# KiCad board Kicad.kicad_pcb
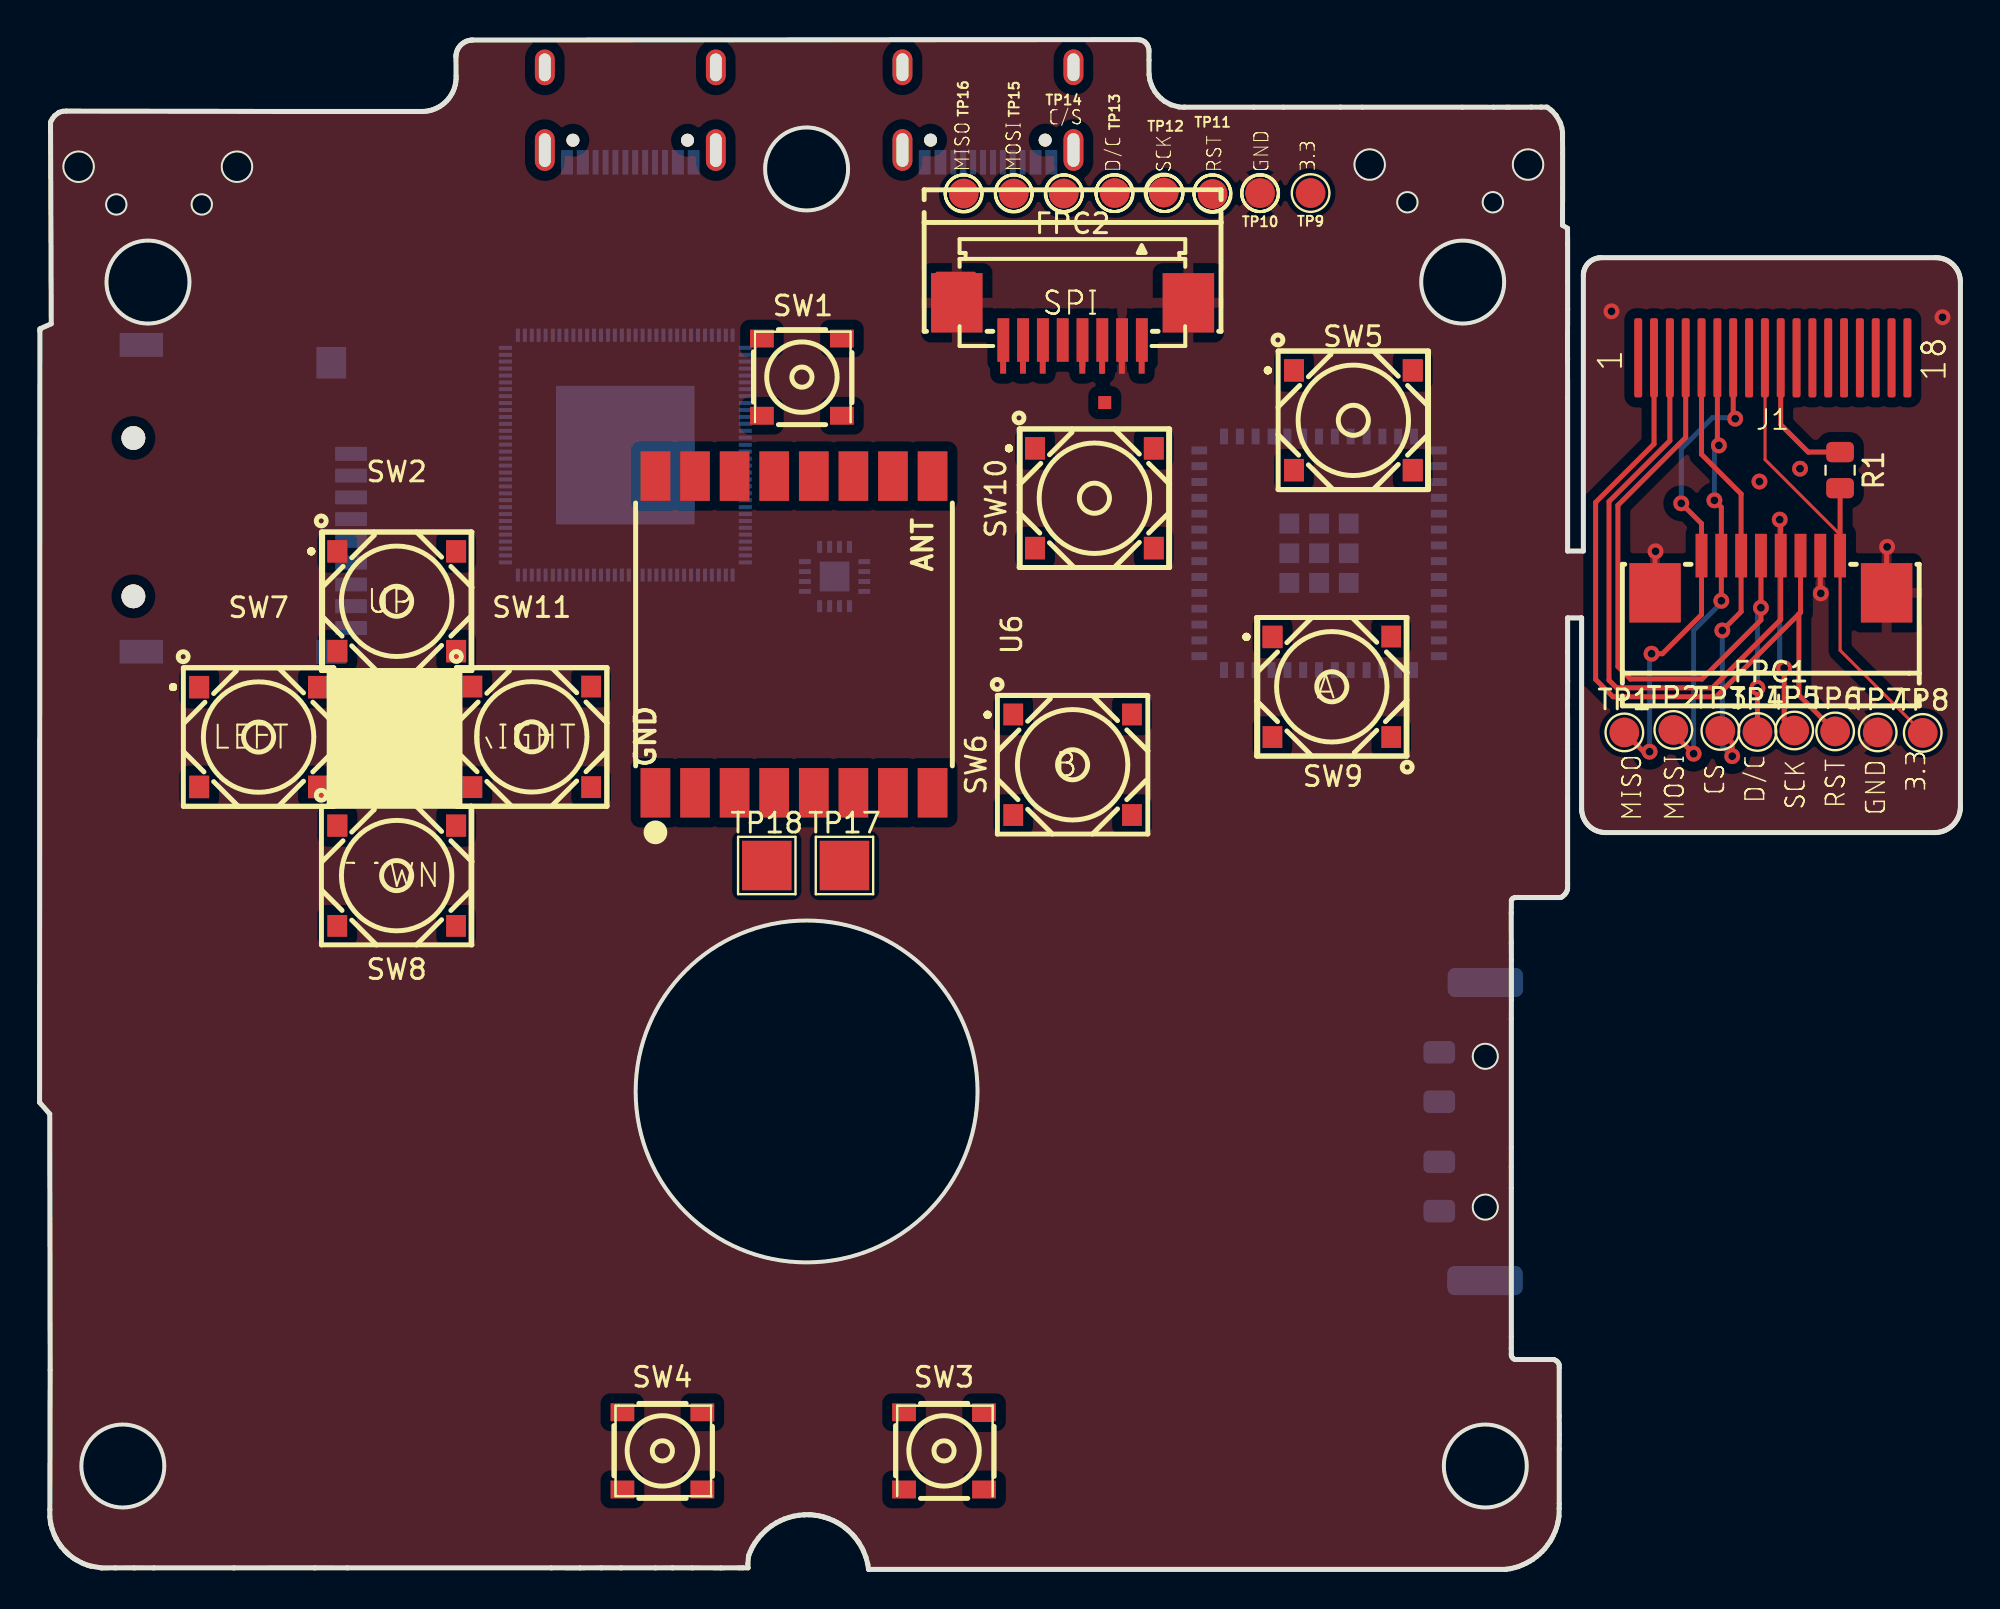
[diagram p0: board, top side]
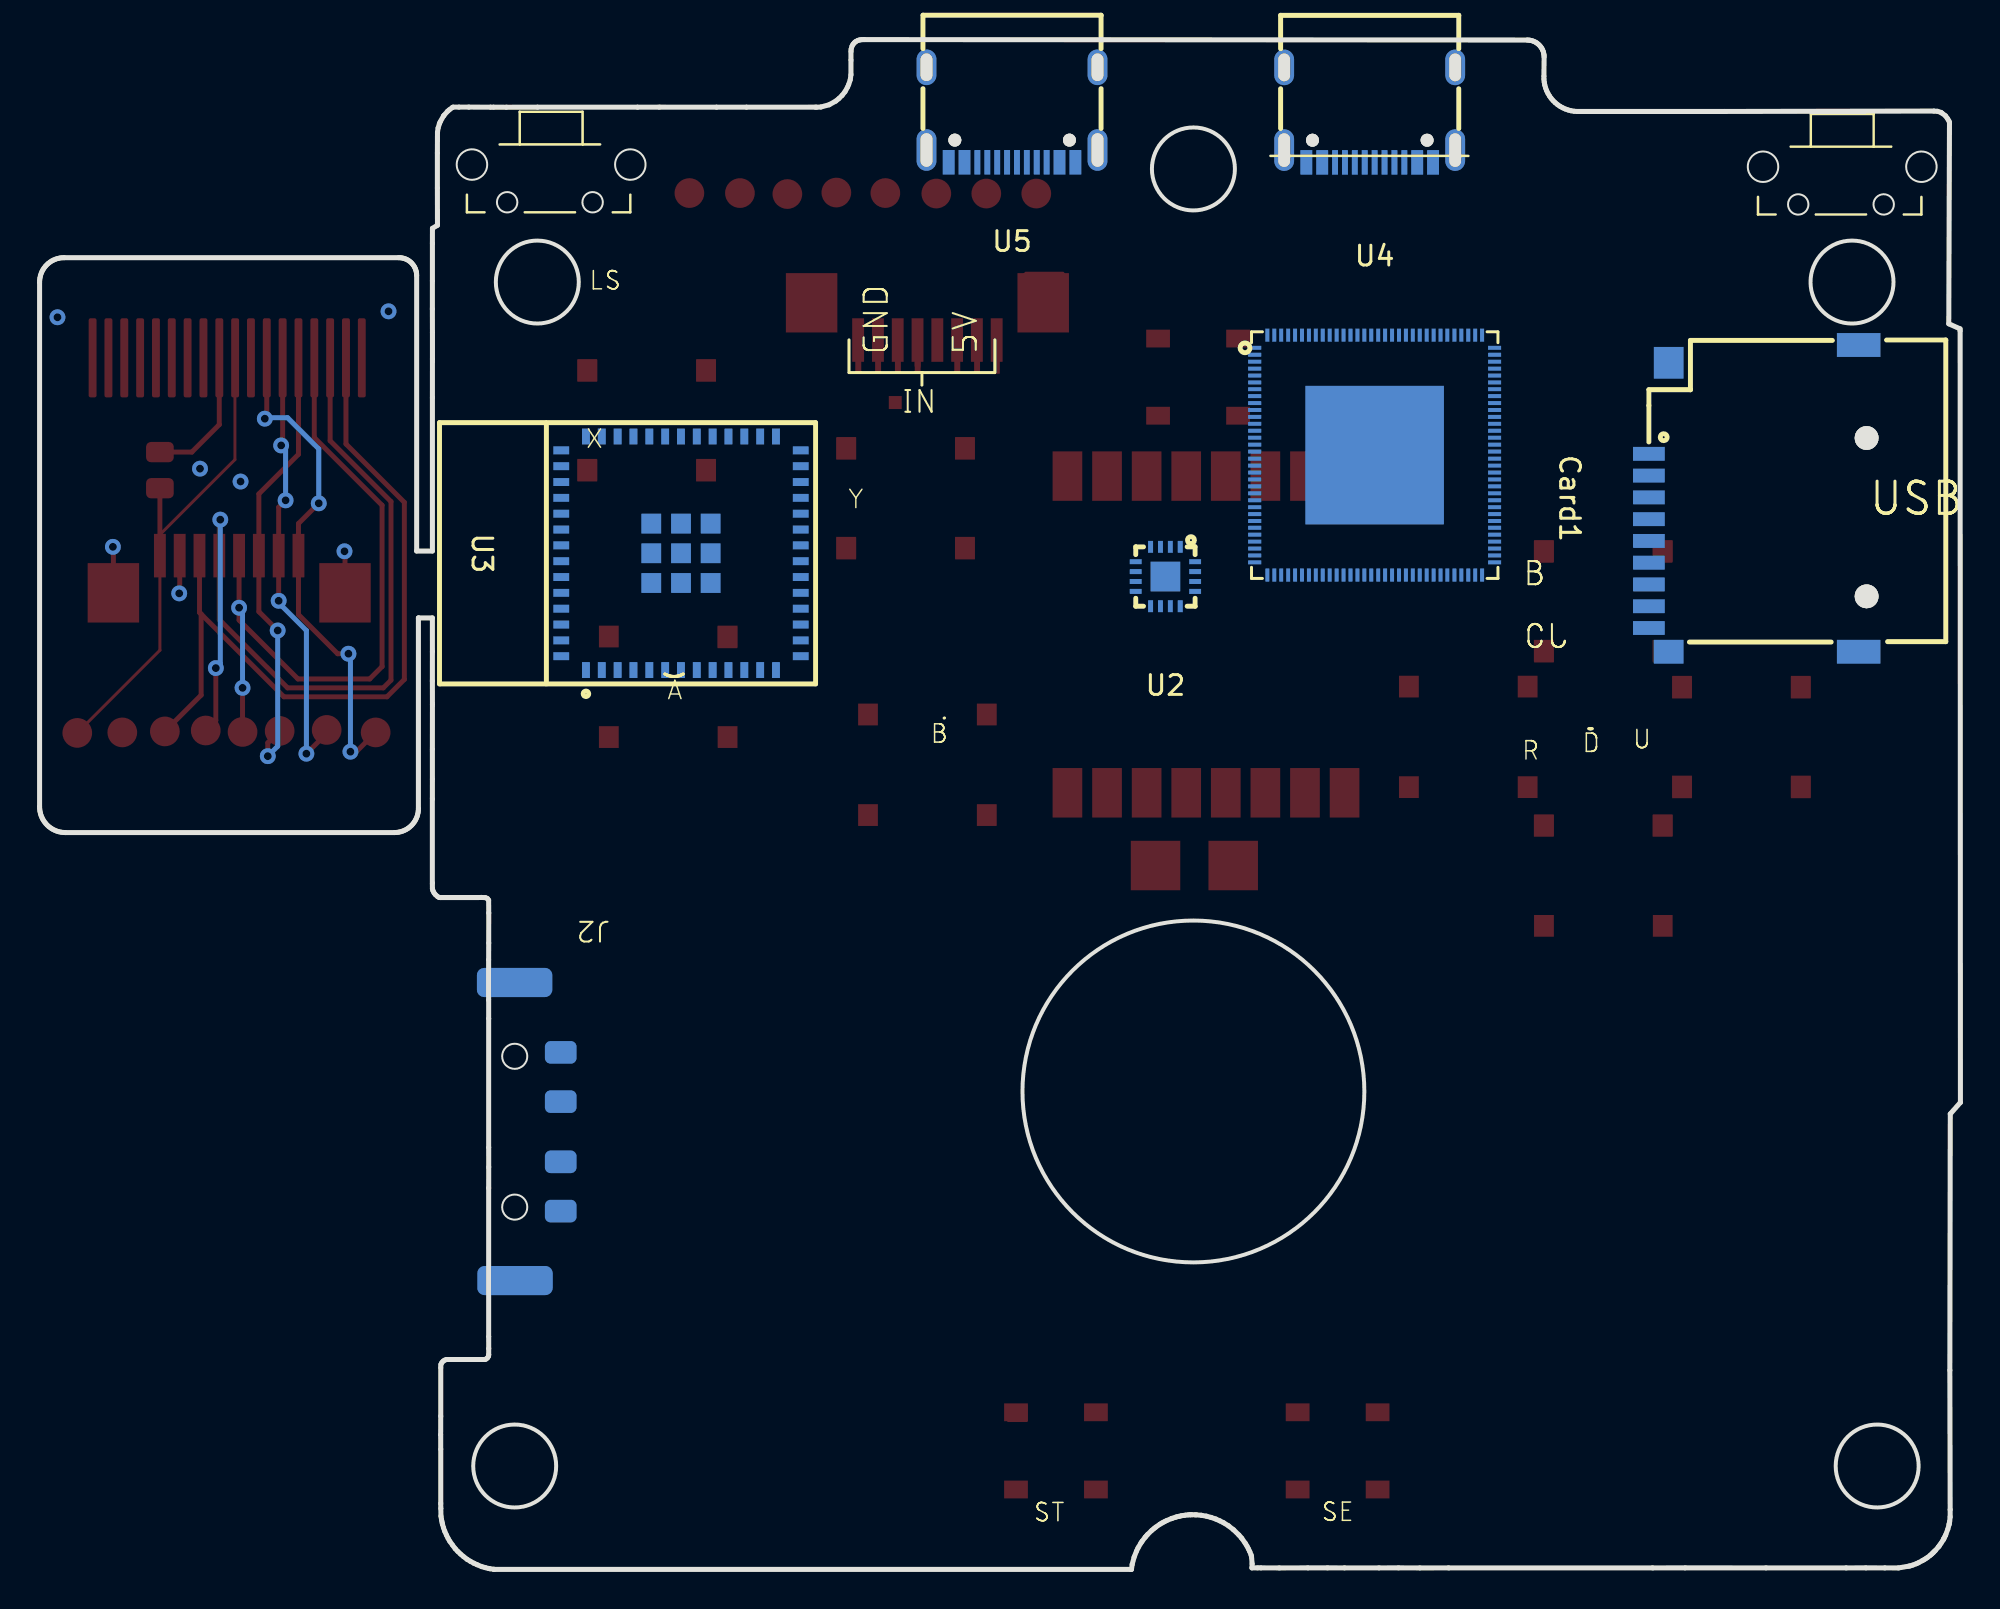
[diagram p1: board, bottom side, seen from below]

Outline 97.04 x 77.29 mm; copper layers: Top, Bottom. Coordinates in mm from the lower left corner of the outline.
Outline path: circle c1.97,70.87 r0.77 ; circle c3.88,68.96 r0.52 ; circle c4.21,5.22 r2.1 ; circle c5.48,65.04 r2.1 ; circle c8.19,68.96 r0.52 ; circle c9.97,70.87 r0.77 ; circle c38.75,70.76 r2.1 ; circle c38.75,24.15 r8.64 ; circle c67.2,70.98 r0.77 ; circle c69.1,69.07 r0.52 ; circle c71.9,65.04 r2.1 ; circle c73.04,5.22 r2.1 ; circle c73.42,69.07 r0.52 ; circle c75.2,70.98 r0.77 ; 0,23.59 0.51,23.01 0.53,10.07 0.52,3.02 0.52,2.65 0.54,2.41 0.57,2.31 0.57,2.26 0.63,2.04 0.74,1.75 0.76,1.7 0.82,1.59 0.84,1.55 0.85,1.53 0.87,1.49 0.99,1.31 1.07,1.2 1.08,1.17 1.11,1.14 1.28,0.94 1.3,0.93 1.35,0.87 1.38,0.84 1.4,0.82 1.46,0.77 1.53,0.71 1.67,0.6 1.76,0.54 1.84,0.49 1.93,0.44 2.12,0.33 2.23,0.29 2.41,0.22 2.54,0.18 2.62,0.16 3.13,0.07 3.82,0.08 4.78,0.08 5.77,0.08 9.82,0.08 13.9,0.08 15.55,0.08 25.86,0.08 27.31,0.07 28.39,0.08 29.37,0.08 31.12,0.08 31.97,0.08 32.97,0.08 34.41,0.07 35.34,0.08 35.8,0.08 35.78,0.28 35.81,0.64 35.83,0.73 35.91,0.9 35.97,1.04 36.05,1.19 36.13,1.33 36.31,1.58 36.45,1.74 36.73,2.01 36.98,2.2 37.23,2.36 37.42,2.45 37.62,2.55 37.86,2.63 38.1,2.69 38.36,2.74 38.6,2.76 38.66,2.76 38.82,2.76 38.92,2.76 39.02,2.76 39.16,2.74 39.27,2.72 39.38,2.71 39.48,2.68 39.57,2.66 39.65,2.64 39.83,2.58 39.86,2.57 40.1,2.47 40.22,2.41 40.33,2.35 40.44,2.29 40.65,2.14 40.75,2.06 40.85,1.97 41.06,1.77 41.14,1.68 41.19,1.62 41.35,1.42 41.4,1.33 41.55,1.09 41.63,0.92 41.75,0.62 41.84,0.25 41.88,0 74.09,0 74.11,0.01 74.29,0.03 74.36,0.05 74.53,0.09 74.71,0.14 74.94,0.24 75.1,0.31 75.28,0.41 75.45,0.51 75.62,0.65 75.78,0.78 75.91,0.91 76.04,1.05 76.18,1.23 76.31,1.41 76.4,1.56 76.49,1.74 76.58,1.93 76.64,2.11 76.69,2.28 76.7,2.32 76.72,2.43 76.74,2.53 76.77,2.69 76.77,3.08 76.78,3.33 76.78,6.07 76.78,6.8 76.78,7.74 76.78,10.2 76.77,10.35 76.72,10.45 76.65,10.52 76.57,10.57 76.49,10.6 74.58,10.6 74.54,10.61 74.48,10.64 74.41,10.69 74.36,10.77 74.35,10.85 74.35,11.16 74.35,11.75 74.35,19.27 74.35,20.32 74.35,21.32 74.35,27.82 74.36,28.78 74.36,30.8 74.35,31.66 74.35,33.17 74.36,33.81 74.42,33.89 74.51,33.94 74.72,33.95 74.89,33.95 76.79,33.95 76.86,33.95 76.95,34 77.05,34.09 77.11,34.18 77.17,34.29 77.2,34.39 77.2,34.66 77.2,38.94 77.2,39.93 77.2,41.44 77.2,43.7 77.2,44.88 77.2,46.37 77.2,48.07 77.9,48.07 77.9,48.07 77.9,38.44 77.91,38.34 77.92,38.23 77.95,38.13 77.98,38.03 78.02,37.93 78.07,37.83 78.12,37.75 78.19,37.66 78.26,37.58 78.34,37.51 78.42,37.45 78.51,37.39 78.6,37.34 78.7,37.3 78.8,37.27 78.91,37.25 79.01,37.23 79.12,37.23 95.74,37.23 95.86,37.23 95.97,37.25 96.08,37.27 96.19,37.31 96.29,37.35 96.39,37.4 96.49,37.46 96.58,37.53 96.66,37.61 96.74,37.69 96.81,37.78 96.87,37.88 96.92,37.98 96.96,38.08 97,38.19 97.02,38.3 97.04,38.42 97.04,38.53 97.04,65.04 97.04,65.15 97.02,65.25 97,65.36 96.97,65.46 96.93,65.56 96.88,65.66 96.82,65.75 96.75,65.83 96.68,65.91 96.6,65.98 96.52,66.05 96.43,66.11 96.33,66.16 96.23,66.2 96.13,66.23 96.02,66.25 95.92,66.27 95.81,66.27 78.89,66.27 78.81,66.27 78.73,66.26 78.66,66.24 78.58,66.22 78.51,66.19 78.44,66.15 78.38,66.11 78.31,66.06 78.26,66.01 78.2,65.95 78.16,65.89 78.11,65.82 78.08,65.76 78.05,65.68 78.02,65.61 78.01,65.53 78,65.45 77.99,65.38 77.99,51.45 77.2,51.45 77.2,59.19 77.2,61.16 77.2,62.49 77.2,63.68 77.2,65.1 77.2,67 77.2,67.74 77.19,67.76 76.94,67.91 76.95,69.79 76.95,71.56 76.94,72.6 76.91,72.82 76.84,73.04 76.8,73.14 76.64,73.43 76.6,73.47 76.43,73.67 76.35,73.74 76.19,73.86 76.15,73.88 75.36,73.88 74.26,73.88 74.12,73.88 73.46,73.87 71.88,73.88 66.83,73.88 65.73,73.88 62.84,73.88 61.33,73.88 57.85,73.88 57.79,73.87 57.57,73.89 57.16,74 56.82,74.18 56.67,74.31 56.5,74.47 56.35,74.66 56.22,74.89 56.17,75.01 56.09,75.26 56.05,75.52 56.05,76.26 56.05,76.69 56.04,76.81 56,76.96 55.95,77.05 55.89,77.11 55.85,77.17 55.79,77.2 55.7,77.25 55.63,77.27 55.57,77.28 55.46,77.29 55.38,77.29 21.9,77.27 21.82,77.27 21.75,77.26 21.68,77.24 21.6,77.22 21.53,77.19 21.47,77.16 21.4,77.12 21.35,77.08 21.29,77.03 21.24,76.97 21.19,76.91 21.15,76.85 21.12,76.79 21.09,76.72 21.06,76.65 21.05,76.57 21.04,76.5 21.03,76.43 21.04,75.44 21.04,75.29 21.03,75.14 21,74.99 20.96,74.85 20.9,74.71 20.84,74.57 20.76,74.44 20.67,74.32 20.58,74.21 20.47,74.1 20.35,74.01 20.23,73.92 20.1,73.85 19.96,73.78 19.82,73.73 19.67,73.7 19.52,73.67 19.37,73.66 11.92,73.66 1.34,73.68 1.16,73.67 0.99,73.61 0.93,73.58 0.75,73.44 0.66,73.31 0.59,73.19 0.55,73.11 0.59,62.93 0.02,62.68 0.01,62.57 0,23.59

## Placement (name value [footprint] x y rotation side)
Card1  TF PUSH  [TF-SMD_TF-PUSH]  10.44 54.11 90 bottom
FPC1  AFA07-S08ECA-00  [FPC-SMD_P1.00-8P_LCS-SJ-H2.5]  87.46 50.28 180 top
FPC2  AFA07-S08ECA-00  [FPC-SMD_P1.00-8P_LCS-SJ-H2.5]  52.19 63.05 0 top
J1  Conn_01x18  [Display18PIN]  87.55 57.58 0 top
J2  Conn_01x06  [Switch]  86.65 31.27 0 bottom
R1  10R  [R_0805_2012Metric]  90.96 55.54 90 top
SW1  SKRBAAE010  [KEY-SMD_4P-L4.8-W4.8-P3.65_SKRBAAE010]  38.51 60.24 0 top
SW2  SKRRABE010  [KEY-SMD_4P-L7.5-W7.0-P6.00-LS5.0]  18.04 48.91 0 top
SW3  SKRBAAE010  [KEY-SMD_4P-L4.8-W4.8-P3.65_SKRBAAE010]  45.69 5.99 0 top
SW4  SKRBAAE010  [KEY-SMD_4P-L4.8-W4.8-P3.65_SKRBAAE010]  31.46 5.99 0 top
SW5  SKRRABE010  [KEY-SMD_4P-L7.5-W7.0-P6.00-LS5.0]  66.37 58.06 0 top
SW6  SKRRABE010  [KEY-SMD_4P-L7.5-W7.0-P6.00-LS5.0]  52.19 40.65 0 top
SW7  SKRRABE010  [KEY-SMD_4P-L7.5-W7.0-P6.00-LS5.0]  11.06 42.05 0 top
SW8  SKRRABE010  [KEY-SMD_4P-L7.5-W7.0-P6.00-LS5.0]  18.04 35.05 0 top
SW9  SKRRABE010  [KEY-SMD_4P-L7.5-W7.0-P6.00-LS5.0]  65.28 44.59 180 top
SW10  SKRRABE010  [KEY-SMD_4P-L7.5-W7.0-P6.00-LS5.0]  53.29 54.12 0 top
SW11  SKRRABE010  [KEY-SMD_4P-L7.5-W7.0-P6.00-LS5.0]  24.86 42.06 0 top
TP1  TestPoint  [TestPoint_Pad_D1.5mm]  80.06 42.29 0 top
TP2  TestPoint  [TestPoint_Pad_D1.5mm]  82.54 42.41 0 top
TP3  TestPoint  [TestPoint_Pad_D1.5mm]  84.91 42.36 0 top
TP4  TestPoint  [TestPoint_Pad_D1.5mm]  86.79 42.31 0 top
TP5  TestPoint  [TestPoint_Pad_D1.5mm]  88.65 42.38 0 top
TP6  TestPoint  [TestPoint_Pad_D1.5mm]  90.71 42.34 0 top
TP7  TestPoint  [TestPoint_Pad_D1.5mm]  92.86 42.29 0 top
TP8  TestPoint  [TestPoint_Pad_D1.5mm]  95.14 42.26 0 top
TP9  TestPoint  [TestPoint_Pad_D1.5mm]  64.21 69.54 0 top
TP10  TestPoint  [TestPoint_Pad_D1.5mm]  61.66 69.54 0 top
TP11  TestPoint  [TestPoint_Pad_D1.5mm]  59.26 69.49 0 top
TP12  TestPoint  [TestPoint_Pad_D1.5mm]  56.79 69.56 0 top
TP13  TestPoint  [TestPoint_Pad_D1.5mm]  54.31 69.54 0 top
TP14  TestPoint  [TestPoint_Pad_D1.5mm]  51.74 69.51 0 top
TP15  TestPoint  [TestPoint_Pad_D1.5mm]  49.21 69.51 0 top
TP16  TestPoint  [TestPoint_Pad_D1.5mm]  46.69 69.51 0 top
TP17  TestPoint  [TestPoint_Pad_2.5x2.5mm]  40.66 35.56 0 top
TP18  TestPoint  [TestPoint_Pad_2.5x2.5mm]  36.74 35.56 0 top
U1  GT-USB-7010ASV  [USB-C-SMD_G-SWITCH_GT-USB-7010ASV]  29.84 73.49 0 bottom
U2  MAX98357AETE+T  [TQFN-16_L3.0-W3.0-P0.50-BL-EP1.5]  40.16 50.16 0 bottom
U3  ESP32-MINI-1-H4  [WIFI-SMD_ESP32-MINI-1]  64.64 51.34 90 bottom
U4  RV1106G2  [QFN-128_L12.3-W12.3-P0.35-TL-EP7.0-1]  29.59 56.3 180 bottom
U5  GT-USB-7010ASV  [USB-C-SMD_G-SWITCH_GT-USB-7010ASV]  47.91 73.49 0 bottom
U6  SX1262S8S+T-X1  [WIRELM-SMD_SX1278S165SY-T-X1]  38.11 47.24 270 top

## Library data of the parts
Card1 = -: Datasheet: https://lcsc.com/product-detail/Connector-Card-Sockets_SHOU-HAN-SHOU-HAN-TFDeck-TF-Deck_C393941.html; LCSC Part: C393941
FPC1 FPC2 = -: Datasheet: https://lcsc.com/product-detail/Others_JUSHUO-AFA07-S8ECA-00_C262735.html; LCSC Part: C262735
J1 = -: Description: Generic connector, single row, 01x18, script generated (kicad-library-utils/schlib/autogen/connector/); ki_fp_filters: Connector*:*_1x??_*
J2 = -: Description: Generic connector, single row, 01x06, script generated (kicad-library-utils/schlib/autogen/connector/); ki_fp_filters: Connector*:*_1x??_*
R1 = -: Description: Resistor; ki_fp_filters: R_*
SW1 SW3 SW4 = -: Datasheet: https://lcsc.com/product-detail/Tactile-Switches_ALPS_SKRBAAE010_4-8-4-0-55-1-57N_C115356.html; LCSC Part: C115356
SW2 SW5-SW11 = -: Datasheet: https://lcsc.com/product-detail/Tactile-Switches_ALPS_SKRRABE010_7-7-5-0-6-SMD_C125046.html; LCSC Part: C125046
TP1-TP18 = -: Description: test point; ki_fp_filters: Pin* Test*
U1 U5 = -: LCSC Part: C2988369
U2 = -: LCSC Part: C910544
U3 = -: LCSC Part: C3013933
U4 = -: LCSC Part: C5272606
U6 = -: Datasheet: https://lcsc.com/product-detail/Wireless-Modules_Vollgo-SX1262S8S-T-X1_C718838.html; LCSC Part: C718838

## Footprints (pads in the part's own frame, mm; a bottom-side part is the same pattern mirrored in y, then rotated)
Display18PIN
  rrect 0.4x4 smd: 1(-6.79,3.63) 2(-5.99,3.63) 3(-5.19,3.63) 4(-4.39,3.63) 5(-3.59,3.63) 6(-2.79,3.63) 7(-1.99,3.63) 8(-1.19,3.63) 9(-0.39,3.63) 10(0.41,3.63) 11(1.21,3.63) 12(2.01,3.63) 13(2.81,3.63) 14(3.61,3.63) 15(4.41,3.63) 16(5.21,3.63) 17(6.01,3.63) 18(6.81,3.63)
FPC-SMD_P1.00-8P_LCS-SJ-H2.5
  rect 0.6x2.2 smd: 1(3.5,-0.94) 2(2.5,-0.94) 3(1.5,-0.94) 4(0.5,-0.94) 5(-0.5,-0.94) 6(-1.5,-0.94) 7(-2.5,-0.94) 8(-3.5,-0.94)
  rect 2.6x3 smd: 9(5.85,0.94) 10(-5.85,0.94)
KEY-SMD_4P-L4.8-W4.8-P3.65_SKRBAAE010
  rect 1.2x0.9 smd: 1(-2.02,1.95) 2(-2.02,-1.95) 3(2.02,1.95) 4(2.02,-1.95)
KEY-SMD_4P-L7.5-W7.0-P6.00-LS5.0
  rect 1x1.1 smd: 1(-3,2.54) 2(-3,-2.54) 3(3,2.54) 4(3,-2.54)
QFN-128_L12.3-W12.3-P0.35-TL-EP7.0-1
  rect 0.66x0.2 smd: 1(-6.06,5.42) 2(-6.06,5.07) 3(-6.06,4.72) 4(-6.06,4.37) 5(-6.06,4.02) 6(-6.06,3.67) 7(-6.06,3.33) 8(-6.06,2.98) 9(-6.06,2.63) 10(-6.06,2.28) 11(-6.06,1.93) 12(-6.06,1.58) 13(-6.06,1.23) 14(-6.06,0.88) 15(-6.06,0.53) 16(-6.06,0.18) 17(-6.06,-0.18) 18(-6.06,-0.53) 19(-6.06,-0.88) 20(-6.06,-1.23) 21(-6.06,-1.58) 22(-6.06,-1.93) 23(-6.06,-2.28) 24(-6.06,-2.63) 25(-6.06,-2.98) 26(-6.06,-3.33) 27(-6.06,-3.67) 28(-6.06,-4.02) 29(-6.06,-4.37) 30(-6.06,-4.72) 31(-6.06,-5.07) 32(-6.06,-5.42) 65(6.06,-5.42) 66(6.06,-5.07) 67(6.06,-4.72) 68(6.06,-4.37) 69(6.06,-4.02) 70(6.06,-3.67) 71(6.06,-3.33) 72(6.06,-2.98) 73(6.06,-2.63) 74(6.06,-2.28) 75(6.06,-1.93) 76(6.06,-1.58) 77(6.06,-1.23) 78(6.06,-0.88) 79(6.06,-0.53) 80(6.06,-0.18) 81(6.06,0.18) 82(6.06,0.53) 83(6.06,0.88) 84(6.06,1.23) 85(6.06,1.58) 86(6.06,1.93) 87(6.06,2.28) 88(6.06,2.63) 89(6.06,2.98) 90(6.06,3.33) 91(6.06,3.67) 92(6.06,4.02) 93(6.06,4.37) 94(6.06,4.72) 95(6.06,5.07) 96(6.06,5.42)
  rect 0.2x0.66 smd: 33(-5.42,-6.06) 34(-5.07,-6.06) 35(-4.72,-6.06) 36(-4.37,-6.06) 37(-4.02,-6.06) 38(-3.67,-6.06) 39(-3.32,-6.06) 40(-2.97,-6.06) 41(-2.62,-6.06) 42(-2.27,-6.06) 43(-1.92,-6.06) 44(-1.57,-6.06) 45(-1.22,-6.06) 46(-0.87,-6.06) 47(-0.52,-6.06) 48(-0.17,-6.06) 49(0.18,-6.06) 50(0.53,-6.06) 51(0.88,-6.06) 52(1.23,-6.06) 53(1.58,-6.06) 54(1.93,-6.06) 55(2.28,-6.06) 56(2.63,-6.06) 57(2.98,-6.06) 58(3.33,-6.06) 59(3.67,-6.06) 60(4.03,-6.06) 61(4.38,-6.06) 62(4.73,-6.06) 63(5.08,-6.06) 64(5.43,-6.06) 97(5.43,6.06) 98(5.08,6.06) 99(4.73,6.06) 100(4.38,6.06) 101(4.03,6.06) 102(3.67,6.06) 103(3.33,6.06) 104(2.98,6.06) 105(2.63,6.06) 106(2.28,6.06) 107(1.93,6.06) 108(1.58,6.06) 109(1.23,6.06) 110(0.88,6.06) 111(0.53,6.06) 112(0.18,6.06) 113(-0.17,6.06) 114(-0.52,6.06) 115(-0.87,6.06) 116(-1.22,6.06) 117(-1.57,6.06) 118(-1.92,6.06) 119(-2.27,6.06) 120(-2.62,6.06) 121(-2.97,6.06) 122(-3.32,6.06) 123(-3.67,6.06) 124(-4.02,6.06) 125(-4.37,6.06) 126(-4.72,6.06) 127(-5.07,6.06) 128(-5.42,6.06)
  rect 7x7 smd: 129(0,0)
R_0805_2012Metric
  rrect 1.025x1.4 smd: 1(-0.912,0) 2(0.912,0)
Switch
  rrect 3.81x1.473 smd: 1(-13.63,16.68) 2(-13.61,1.62)
  rrect 1.6x1.143 smd: 3(-15.94,13.17) 4(-15.94,10.68) 5(-15.94,7.64) 6(-15.94,5.15)
TestPoint_Pad_2.5x2.5mm
  rect 2.5x2.5 smd: 1(0,0)
TestPoint_Pad_D1.5mm
  round 1.5 smd: 1(0,0)
TF-SMD_TF-PUSH
  round 1.2 hole 1.2: (-4.95,-5.7) (3.05,-5.7)
  rect 0.7x1.6 smd: 1(2.25,5.3) 2(1.15,5.3) 3(0.05,5.3) 4(-1.05,5.3) 5(-2.15,5.3) 6(-3.25,5.3) 7(-4.35,5.3) 8(-5.45,5.3) CD(-6.55,5.3)
  rect 1.2x1.5 smd: 10(-7.75,4.3)
  rect 1.2x2.2 smd: 11(-7.75,-5.3) 12(7.75,-5.3)
  rect 1.6x1.5 smd: 13(6.85,4.3)
TQFN-16_L3.0-W3.0-P0.50-BL-EP1.5
  rect 0.25x0.6 smd: 1(-0.75,-1.5) 2(-0.25,-1.5) 3(0.25,-1.5) 4(0.75,-1.5) 9(0.75,1.5) 10(0.25,1.5) 11(-0.25,1.5) 12(-0.75,1.5)
  rect 0.6x0.25 smd: 5(1.5,-0.75) 6(1.5,-0.25) 7(1.5,0.25) 8(1.5,0.75) 13(-1.5,0.75) 14(-1.5,0.25) 15(-1.5,-0.25) 16(-1.5,-0.75)
  rect 1.5x1.5 smd: 17(0,0)
USB-C-SMD_G-SWITCH_GT-USB-7010ASV
  round 0.65 hole 0.65: (-2.9,1.28) (2.89,1.28)
  oval 1x2.1 hole 0.6x1.7: 1(-4.32,1.78) 2(4.32,1.78)
  oval 1x1.8 hole 0.6x1.4: 3(4.32,-2.4) 4(-4.32,-2.4)
  rect 0.6x1.24 smd: A1B12(-3.2,2.4) A4B9(-2.4,2.4) B1A12(3.2,2.4) B4A9(2.4,2.4)
  rect 0.3x1.24 smd: A5(-1.25,2.4) A6(-0.25,2.4) A7(0.25,2.4) A8(1.25,2.4) B5(1.75,2.4) B6(0.75,2.4) B7(-0.75,2.4) B8(-1.75,2.4)
WIFI-SMD_ESP32-MINI-1
  rect 0.8x0.4 smd: 1(-5.9,4.8) 2(-5.9,4) 3(-5.9,3.2) 4(-5.9,2.4) 5(-5.9,1.6) 6(-5.9,0.8) 7(-5.9,0) 8(-5.9,-0.8) 9(-5.9,-1.6) 10(-5.9,-2.4) 11(-5.9,-3.2) 12(-5.9,-4) 13(-5.9,-4.8) 28(5.9,-4.8) 29(5.9,-4) 30(5.9,-3.2) 31(5.9,-2.4) 32(5.9,-1.6) 33(5.9,-0.8) 34(5.9,0) 35(5.9,0.8) 36(5.9,1.6) 37(5.9,2.4) 38(5.9,3.2) 39(5.9,4) 40(5.9,4.8)
  rect 0.4x0.8 smd: 14(-5.2,-6.05) 15(-4.4,-6.05) 16(-3.6,-6.05) 17(-2.8,-6.05) 18(-2,-6.05) 19(-1.2,-6.05) 20(-0.4,-6.05) 21(0.4,-6.05) 22(1.2,-6.05) 23(2,-6.05) 24(2.8,-6.05) 25(3.6,-6.05) 26(4.4,-6.05) 27(5.2,-6.05) 41(5.2,6.05) 42(4.4,6.05) 43(3.6,6.05) 44(2.8,6.05) 45(2,6.05) 46(1.2,6.05) 47(0.4,6.05) 48(-0.4,6.05) 49(-1.2,6.05) 50(-2,6.05) 51(-2.8,6.05) 52(-3.6,6.05) 53(-4.4,6.05) 54(-5.2,6.05)
  rect 1x1 smd: 55(-1.5,-1.5) 55(-1.5,0) 55(-1.5,1.5) 55(0,-1.5) 55(0,0) 55(0,1.5) 55(1.5,-1.5) 55(1.5,0) 55(1.5,1.5)
WIRELM-SMD_SX1278S165SY-T-X1
  rect 2.5x1.5 smd: 1(8,-7) 2(8,-5) 3(8,-3) 4(8,-1) 5(8,1) 6(8,3) 7(8,5) 8(8,7) 9(-8,7) 10(-8,5) 11(-8,3) 12(-8,1) 13(-8,-1) 14(-8,-3) 15(-8,-5) 16(-8,-7)

## Nets
+3.3V: FPC1.8 FPC2.1 J1.9 R1.1 TP8.1 TP9.1
GND: FPC1.7 FPC1.9 FPC1.10 FPC2.2 FPC2.9 FPC2.10 J2.1 J2.2 TP7.1 TP10.1 U2.11 U2.15 U2.17 U3.41 U3.42 U3.43 U3.44 U3.45 U3.46 U3.47 U3.48 U3.49 U3.50 U3.51 U3.52 U3.53 U3.54 U3.55
/C/S: FPC1.3 FPC2.6 J1.5 TP3.1 TP14.1
/D/C: FPC1.4 FPC2.5 J1.4 TP4.1 TP13.1
/MISO: FPC1.1 FPC2.8 J1.7 TP1.1 TP16.1
/MOSI: FPC1.2 FPC2.7 J1.6 TP2.1 TP15.1
/RESET: FPC1.6 FPC2.3 J1.2 TP6.1 TP11.1
/SCK: FPC1.5 FPC2.4 J1.3 TP5.1 TP12.1
Net-(J1-Pin_10): J1.10 R1.2
Net-(J2-Pin_4): J2.4 J2.5
Net-(R2-Pad1): U1.3 U1.4
Net-(R3-Pad1): U1.1 U1.2
Net-(R4-Pad1): U5.3 U5.4
Net-(R5-Pad1): U5.1 U5.2
Net-(U2-OUTN): TP17.1 U2.10
Net-(U2-OUTP): TP18.1 U2.9

Pads without a net: Card1 1 2 3 4 5 6 7 8 10 11 12 13 CD; J1 1 8 11 12 13 14 15 16 17 18; J2 3 6; SW1 1 2 3 4; SW2 1 2 3 4; SW3 1 2 3 4; SW4 1 2 3 4; SW5 1 2 3 4; SW6 1 2 3 4; SW7 1 2 3 4; SW8 1 2 3 4; SW9 1 2 3 4; SW10 1 2 3 4; SW11 1 2 3 4; U1 A1B12 A4B9 A5 A6 A7 A8 B1A12 B4A9 B5 B6 B7 B8; U2 1 2 3 4 5 6 7 8 12 13 14 16; U3 1 2 3 4 5 6 7 8 9 10 11 12 13 14 15 16 17 18 19 20 21 22 23 24 25 26 27 28 29 30 31 32 33 34 35 36 37 38 39 40; U4 1 2 3 4 5 6 7 8 9 10 11 12 13 14 15 16 17 18 19 20 21 22 23 24 25 26 27 28 29 30 31 32 33 34 35 36 37 38 39 40 41 42 43 44 45 46 47 48 49 50 51 52 53 54 55 56 57 58 59 60 61 62 63 64 65 66 67 68 69 70 71 72 73 74 75 76 77 78 79 80 81 82 83 84 85 86 87 88 89 90 91 92 93 94 95 96 97 98 99 100 101 102 103 104 105 106 107 108 109 110 111 112 113 114 115 116 117 118 119 120 121 122 123 124 125 126 127 128 129; U5 A1B12 A4B9 A5 A6 A7 A8 B1A12 B4A9 B5 B6 B7 B8; U6 1 2 3 4 5 6 7 8 9 10 11 12 13 14 15 16

## Via types
v1: diameter 0.8, hole 0.4, Top to Bottom, 21 vias

## Routing (per net, layer and track width the routed paths; a pad name or vN(x,y) marks a point on that pad's centre or on a via; arc(x,y) is an arc through that point)
+3.3V: length 26.3
  Top w0.152: 87.17,61.22 87.17,56.07 90.96,52.28 FPC1.8 90.96,46.44 TP8.1 ; 55.68,61.06 55.68,61.74
  Top w0.25: R1.1 FPC1.8
GND: length 6.4
  Top w0.25: v1(89.99,49.31) 89.96,49.34 FPC1.7 ; FPC1.10 93.31,51.64 v1(93.34,51.66) ; v1(81.64,51.44) 81.61,51.41 FPC1.9
  vias: v1(79.41,63.56) v1(86.89,54.96) v1(88.94,55.61) v1(96.14,63.26)
/C/S: length 23.6
  Top w0.152: 50.68,61.06 50.68,61.61
  Top w0.25: J1.5 83.96,56.34 85.96,54.34 FPC1.3 85.96,48.39 v1(85.01,47.44) ; TP3.1 85.51,41.76 v1(85.51,41.09)
  Bottom w0.25: v1(85.01,47.44) 85.01,41.59 v1(85.51,41.09)
/D/C: length 35.3
  Top w0.25: FPC1.4 86.96,47.96 83.99,44.99 80.36,44.99 79.74,45.61 79.74,53.76 83.16,57.19 J1.4 ; TP4.1 v1(86.79,44.54)
  Bottom w0.25: v1(86.96,48.59) 86.79,48.41 v1(86.79,44.54)
/MISO: length 25.3
  Top w0.25: v1(81.44,46.26) 81.99,46.26 83.96,48.24 FPC1.1 83.96,52.84 v1(82.94,53.86) ; v1(81.34,41.31) 81.04,41.31 TP1.1 ; v1(85.66,58.14) 85.56,58.24 J1.7
  Bottom w0.25: v1(81.34,41.31) 81.34,46.16 v1(81.44,46.26) ; v1(85.66,58.14) 85.61,58.19 84.51,58.19 82.94,56.61 v1(82.94,53.86)
/MOSI: length 23.2
  Top w0.152: 49.68,61.06 49.68,61.74
  Top w0.25: v1(83.56,41.21) 82.54,42.24 TP2.1 ; v1(84.84,56.79) 84.76,56.86 J1.6 ; v1(84.61,54.01) 84.96,53.66 FPC1.2 v1(84.96,48.94)
  Bottom w0.25: v1(84.96,48.94) 84.96,48.84 83.56,47.44 v1(83.56,41.21) ; v1(84.84,56.79) 84.61,56.56 v1(84.61,54.01)
/RESET: length 40.9
  Top w0.152: 53.68,61.74 53.68,60.47
  Top w0.25: FPC1.6 88.96,48.35 ; 88.96,48.35 88.88,48.27 88.88,44.17 TP6.1 ; 88.96,48.35 84.7,44.09 79.49,44.09 78.61,44.97 78.61,53.91 81.56,56.86 J1.2
/SCK: length 45.2
  Top w0.152: 52.68,61.06 52.68,61.74 ; 88.41,42.62 88.41,42.69 88.65,42.45 TP5.1
  Top w0.25: v1(87.91,53.04) 87.96,52.99 FPC1.5 87.96,47.99 84.51,44.54 79.68,44.54 79.29,44.93 79.29,53.95 82.36,57.02 J1.3 ; TP5.1 88.14,42.89 v1(88.14,45.54)
  Top w0.305: 52.68,60.82 52.68,61.06
  Bottom w0.25: v1(88.14,45.54) 87.91,45.76 v1(87.91,53.04)
Net-(J1-Pin_10): length 6.9
  Top w0.25: J1.10 87.96,57.84 89.35,56.45 R1.2
unconnected-(SW2-Pad1): length 0.4
  Top w0.152: 15.05,51.41 15.42,51.41
unconnected-(SW2-Pad3): length 0.1
  Top w0.152: 21.05,51.41 21.17,51.4
unconnected-(SW3-Pad2): length 0.5
  Top w0.152: 43.83,4.08 43.48,3.73
unconnected-(SW4-Pad2): length 0.2
  Top w0.152: 29.61,4.3 29.61,4.08
unconnected-(SW5-Pad3): length 0
  Top w0.152: 69.36,60.56 69.37,60.56
unconnected-(SW6-Pad1): length 0.1
  Top w0.152: 49.29,43.16 49.21,43.16
unconnected-(SW7-Pad1): length 0.1
  Top w0.152: 8.18,44.55 8.06,44.55
unconnected-(SW8-Pad1): length 0.6
  Top w0.152: 15.05,37.57 15.05,37.78 15.29,38.02
unconnected-(SW9-Pad2): length 0
  Bottom w0.152: 65.93,44.74 65.94,44.74
unconnected-(SW9-Pad4): length 0
  Top w0.152: 62.29,47.09 62.3,47.09
unconnected-(SW10-Pad3): length 0.1
  Top w0.152: 56.2,56.53 56.29,56.62

## Copper pours and planes (outline as drawn; the poured copper is in the pictures)
GND on Top (solid shape): 47.18,65.41 45.38,65.41 45.38,63.21 47.18,63.21
GND on Top (solid shape): 58.98,65.41 57.18,65.41 57.18,63.21 58.98,63.21
GND on Top (solid shape): 45.32,63.06 45.23,63.15 45.23,65.47 45.32,65.56 47.24,65.56 47.33,65.47 47.33,63.15 47.24,63.06
GND on Top, Bottom: -12.96,95.64 -13.36,-9.11 110.29,-10.71 107.86,94.44
unconnected-(SW2-Pad1) on Top (solid shape): 15.55,51.96 14.55,51.96 14.55,50.86 15.55,50.86
unconnected-(SW2-Pad2) on Top (solid shape): 15.55,46.96 14.55,46.96 14.55,45.86 15.55,45.86
unconnected-(SW2-Pad3) on Top (solid shape): 21.55,51.96 20.55,51.96 20.55,50.86 21.55,50.86
unconnected-(SW2-Pad4) on Top (solid shape): 21.55,46.96 20.55,46.96 20.55,45.86 21.55,45.86
unconnected-(SW5-Pad1) on Top (solid shape): 63.87,61.11 62.87,61.11 62.87,60.01 63.87,60.01
unconnected-(SW5-Pad2) on Top (solid shape): 63.87,56.11 62.87,56.11 62.87,55.01 63.87,55.01
unconnected-(SW5-Pad3) on Top (solid shape): 69.87,61.11 68.87,61.11 68.87,60.01 69.87,60.01
unconnected-(SW5-Pad4) on Top (solid shape): 69.87,56.11 68.87,56.11 68.87,55.01 69.87,55.01
unconnected-(SW7-Pad1) on Top (solid shape): 8.56,45.1 7.56,45.1 7.56,44 8.56,44
unconnected-(SW7-Pad2) on Top (solid shape): 8.56,40.1 7.56,40.1 7.56,39 8.56,39
unconnected-(SW7-Pad3) on Top (solid shape): 14.56,45.1 13.56,45.1 13.56,44 14.56,44
unconnected-(SW7-Pad4) on Top (solid shape): 14.56,40.1 13.56,40.1 13.56,39 14.56,39
unconnected-(SW8-Pad1) on Top (solid shape): 15.55,38.12 14.55,38.12 14.55,37.02 15.55,37.02
unconnected-(SW8-Pad3) on Top (solid shape): 21.55,38.12 20.55,38.12 20.55,37.02 21.55,37.02
unconnected-(SW9-Pad4) on Top (solid shape): 62.79,47.64 61.79,47.64 61.79,46.54 62.79,46.54
unconnected-(SW10-Pad1) on Top (solid shape): 50.79,57.17 49.79,57.17 49.79,56.07 50.79,56.07
unconnected-(SW10-Pad2) on Top (solid shape): 50.79,52.17 49.79,52.17 49.79,51.07 50.79,51.07
unconnected-(SW10-Pad3) on Top (solid shape): 56.79,57.17 55.79,57.17 55.79,56.07 56.79,56.07
unconnected-(SW10-Pad4) on Top (solid shape): 56.79,52.17 55.79,52.17 55.79,51.07 56.79,51.07

Small or netless copper shapes (teardrops, artwork), in the pictures only: 25 on Top, 3 on Bottom
